# Altium PCB 瓦力驱动.PcbDoc (part 1 of 2)
Units mm, origin at the board's own origin, x right, y up, seen from the top; angles counter-clockwise.
Board outline 99.95 x 90 mm, 2 copper layers (Top Layer, Bottom Layer); 138 components, 102 nets, 483 pads, 250 vias.
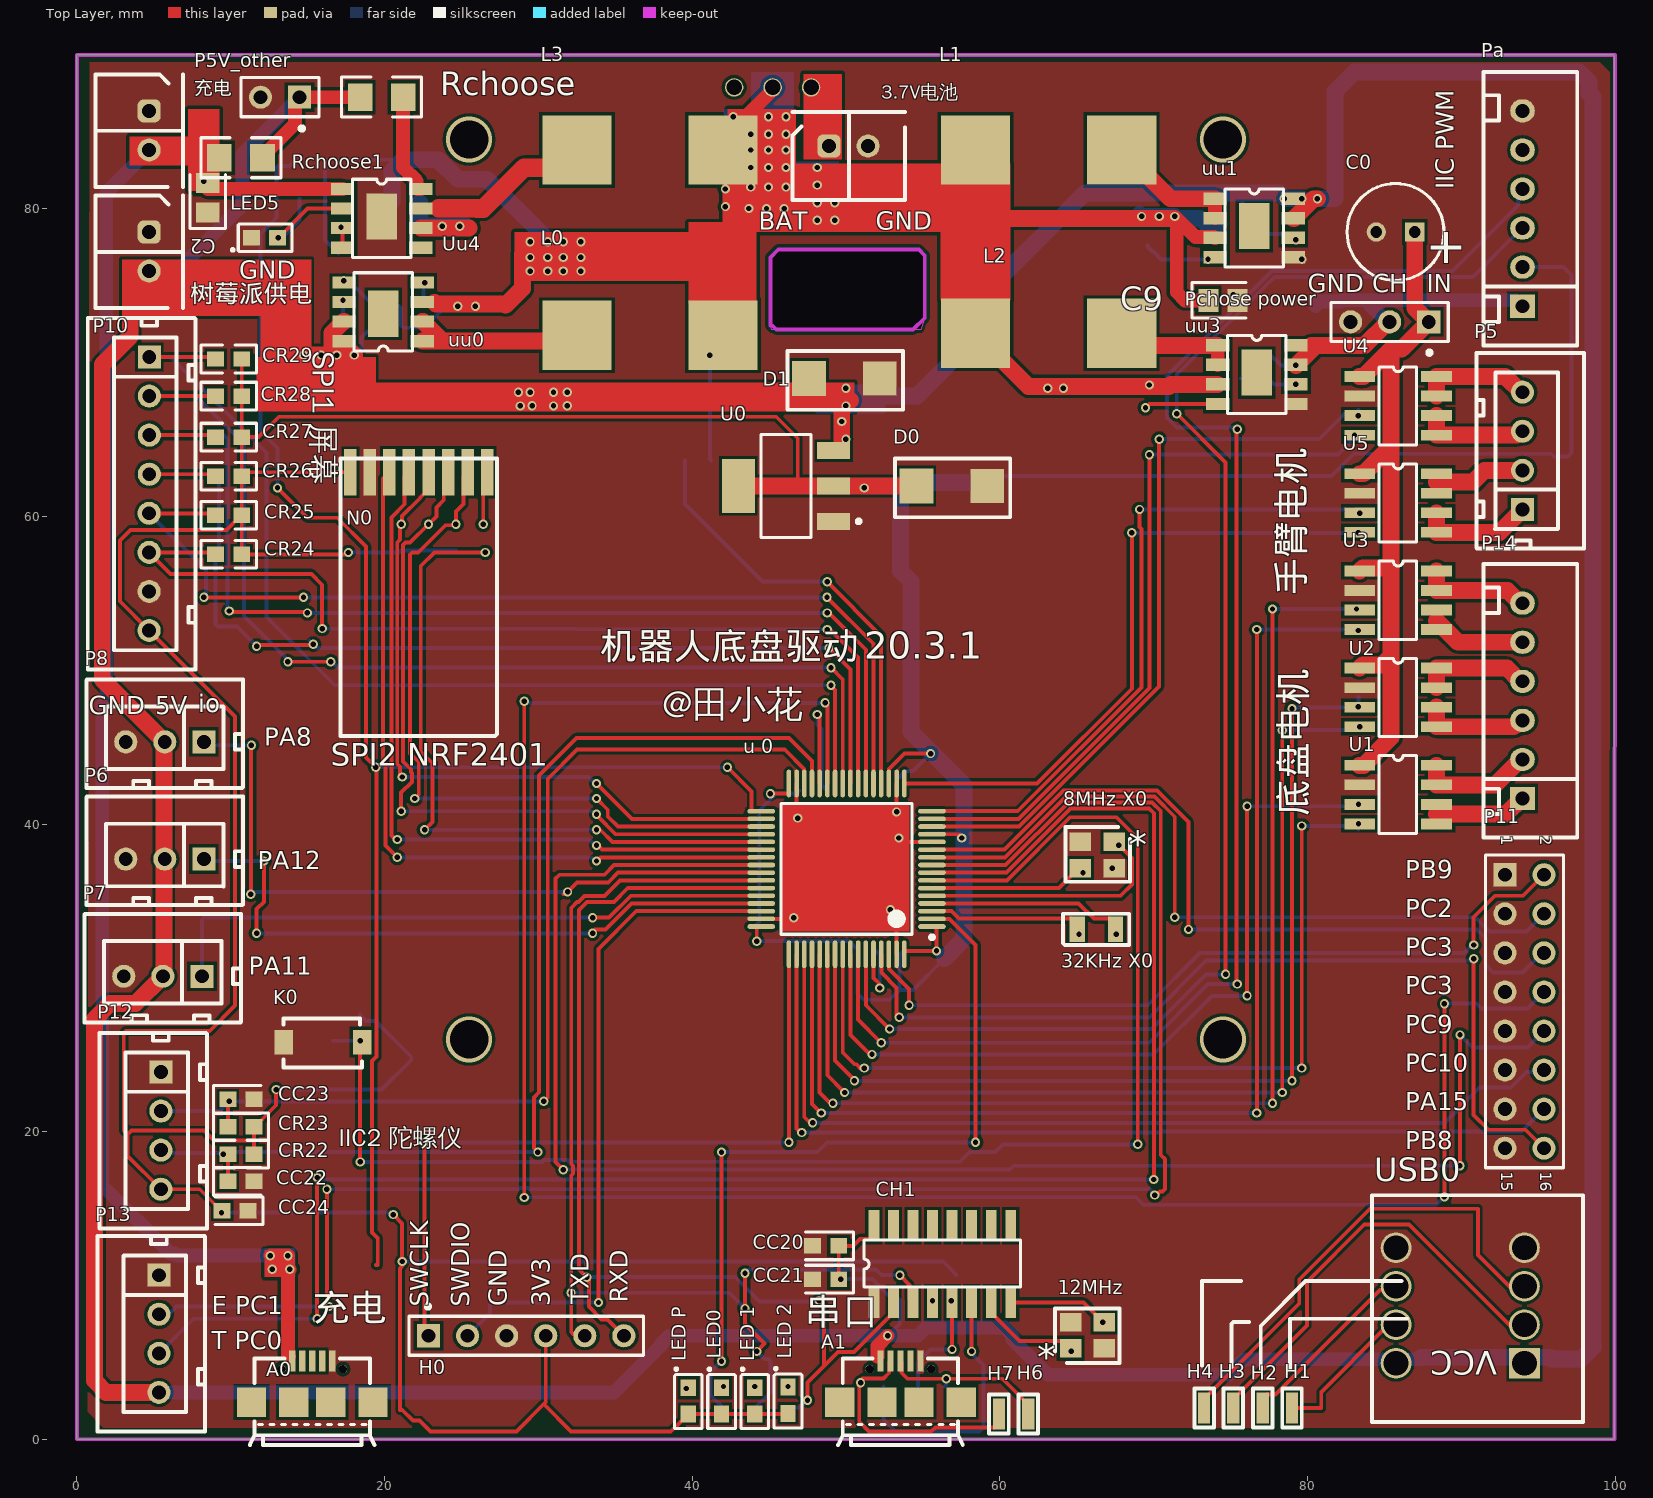
[diagram p0: Top Layer view]
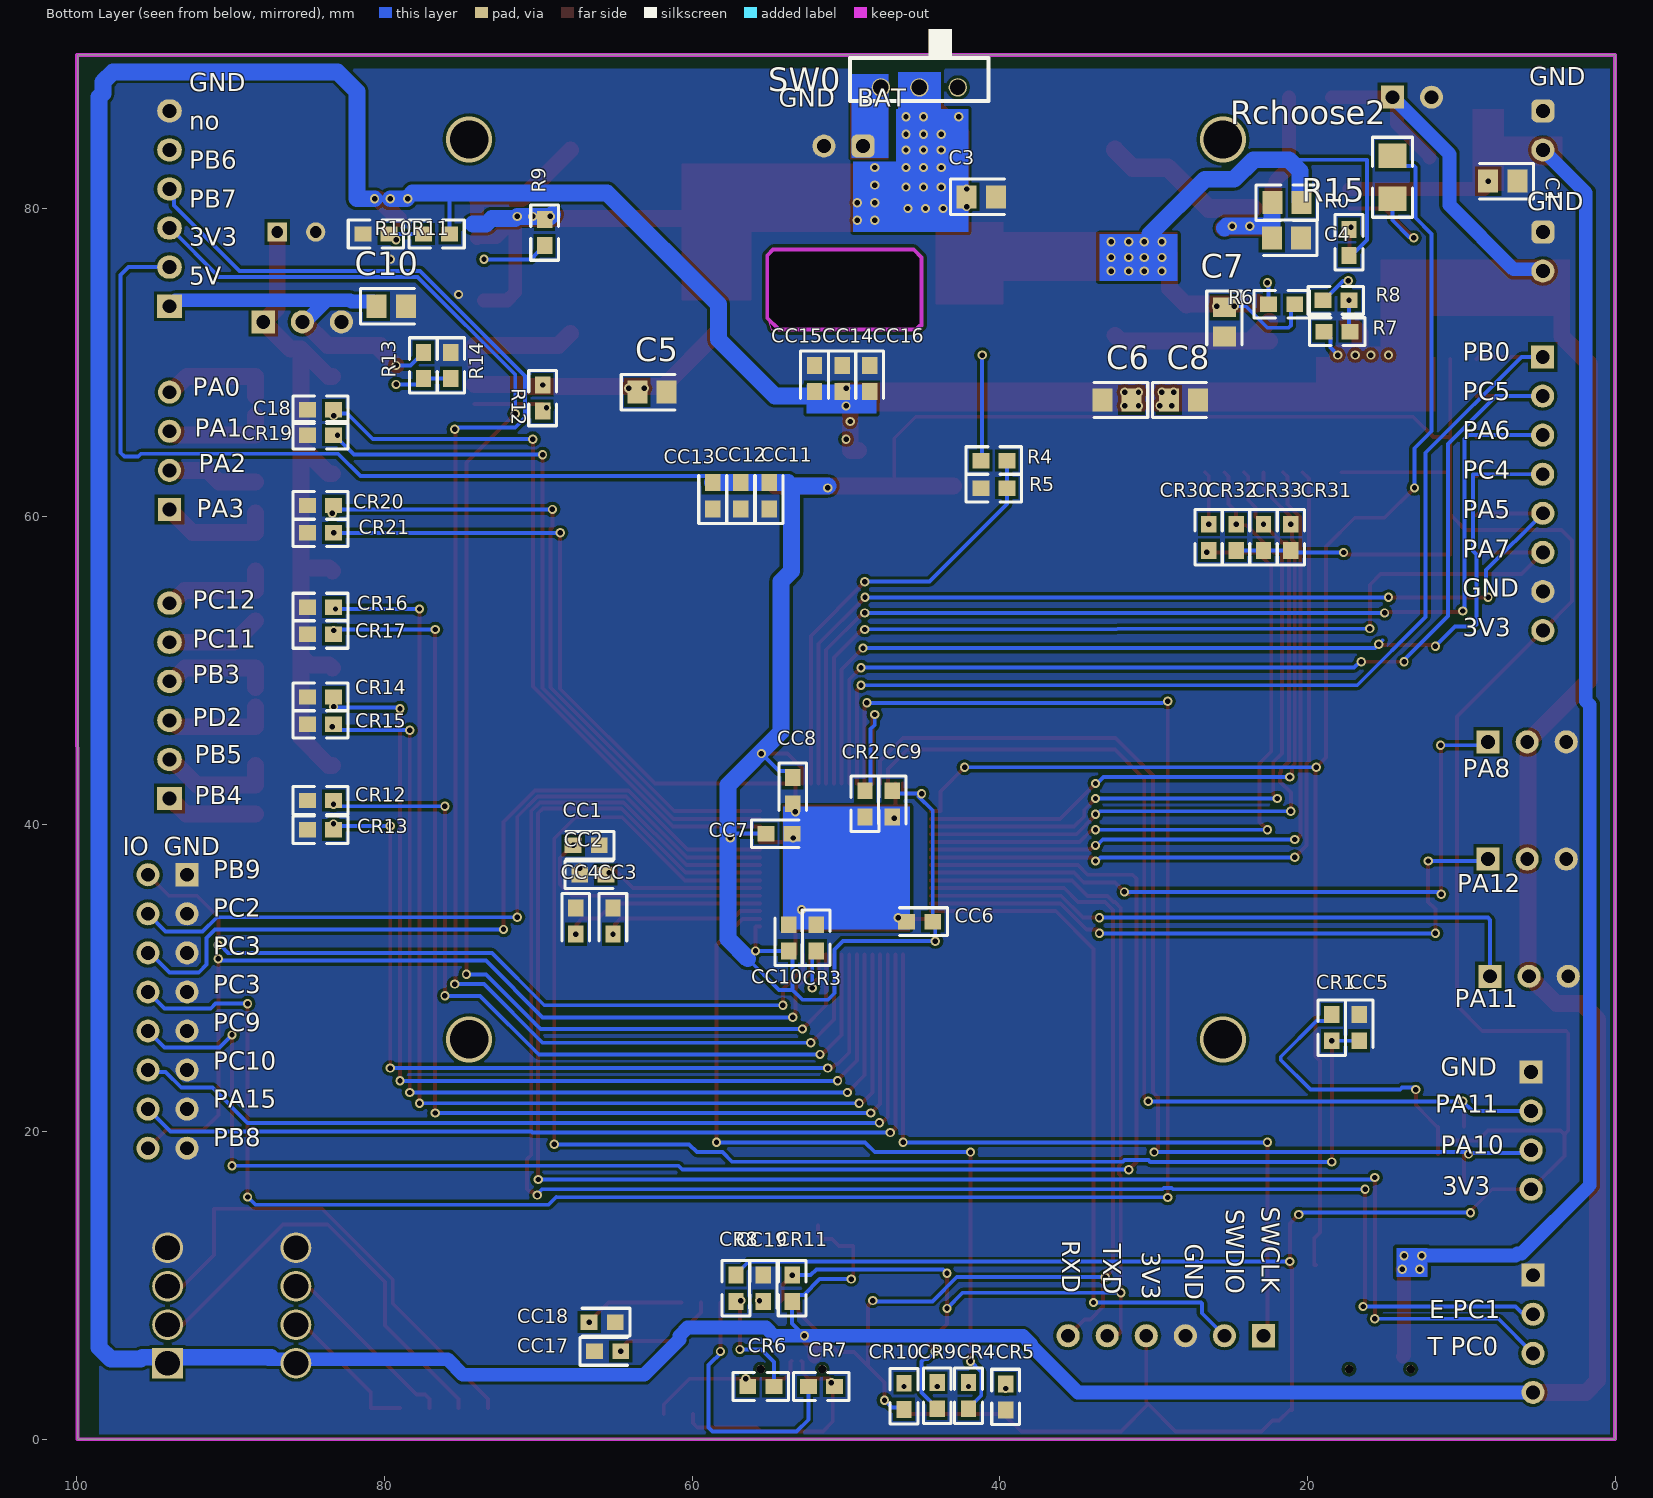
[diagram p1: Bottom Layer view, seen from below]
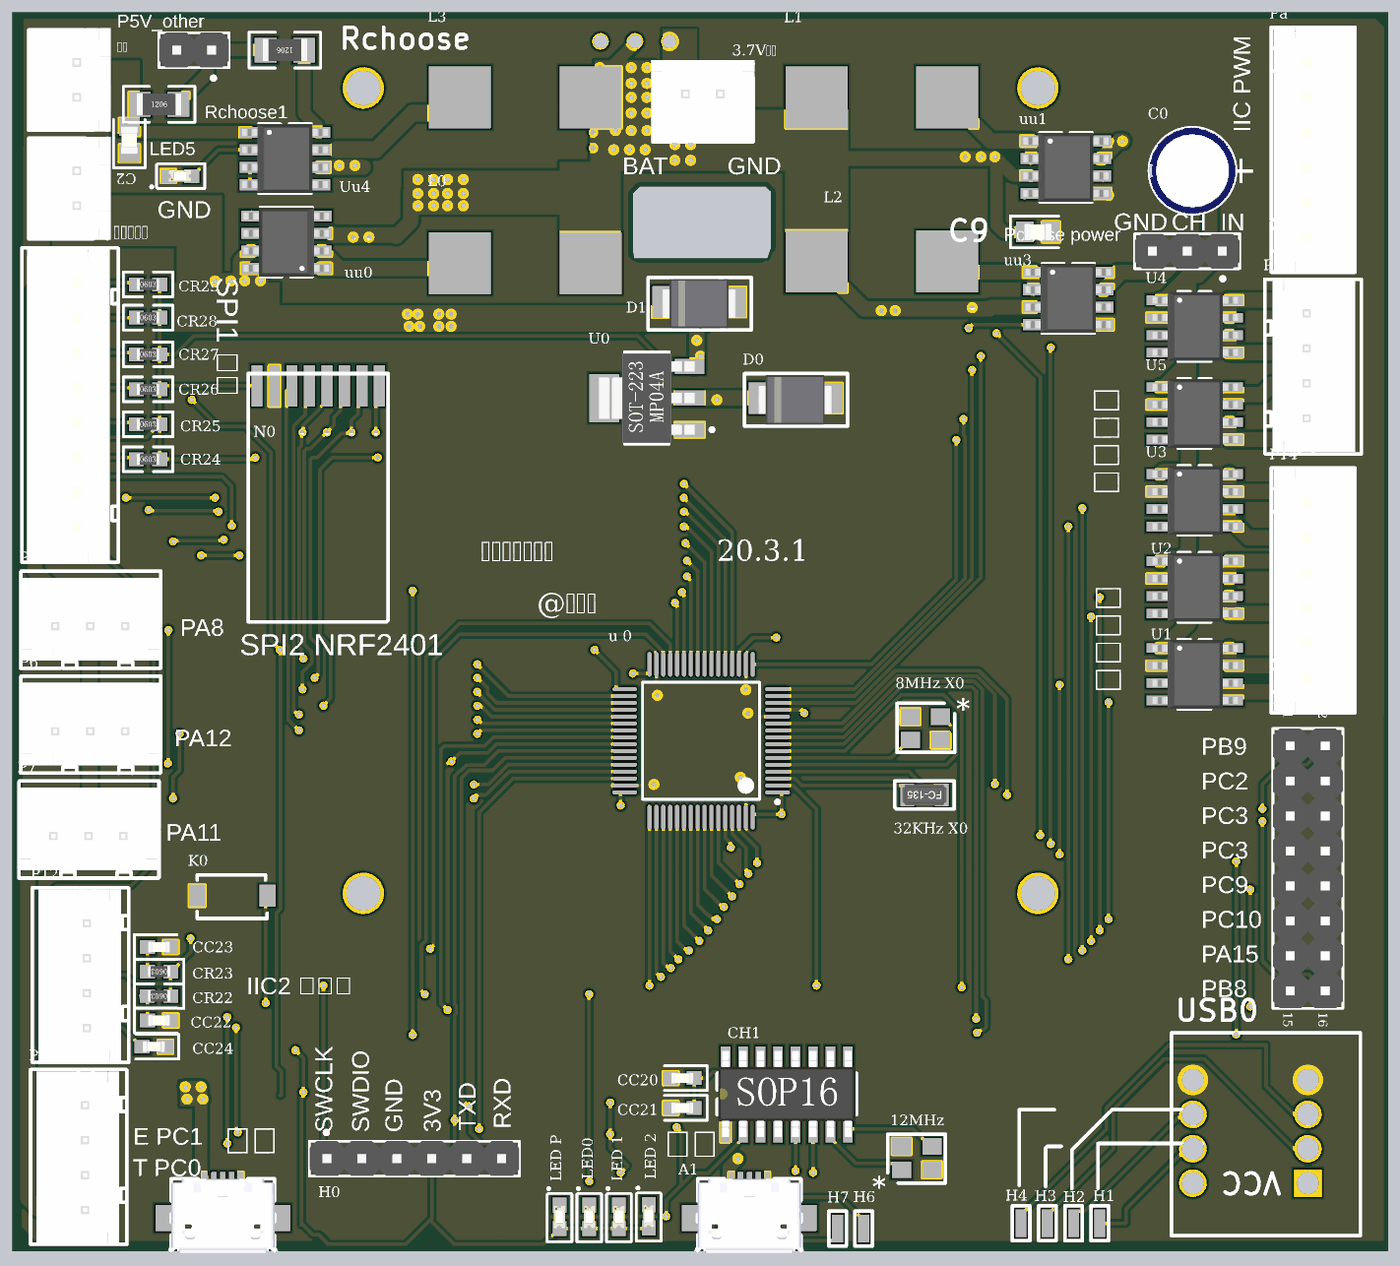
[diagram p3: 3D render of the assembled board from above, using the file's embedded part models]
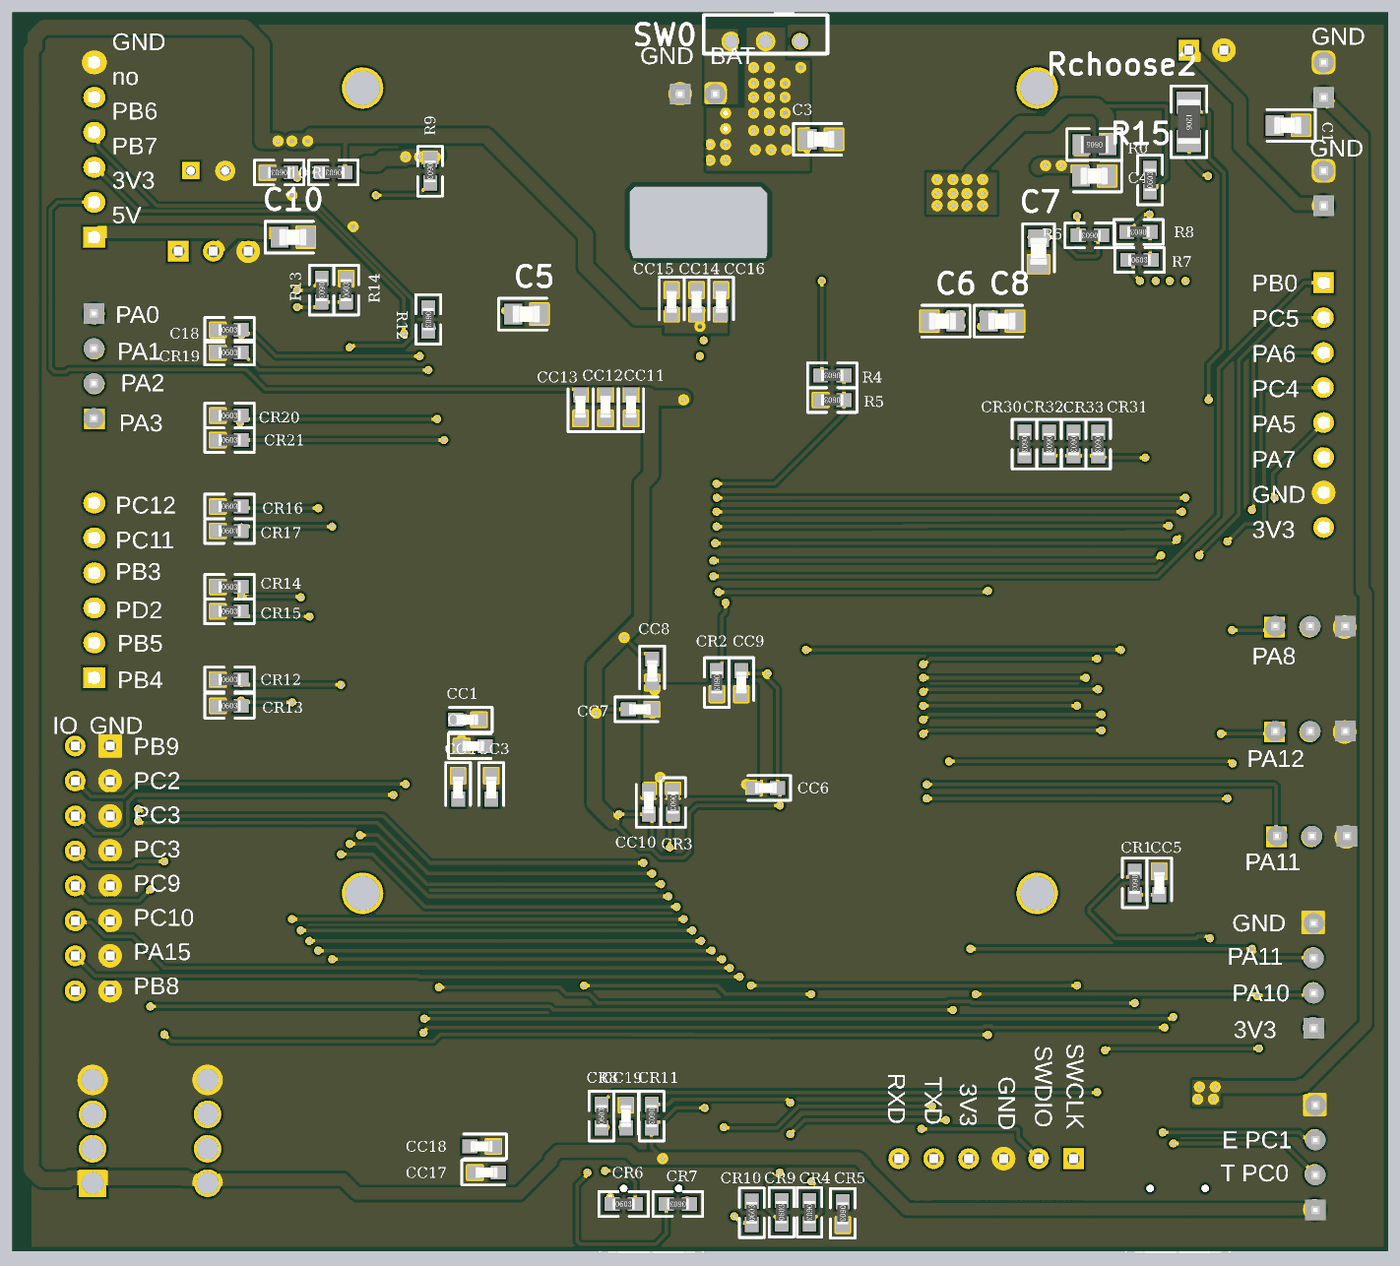
[diagram p4: 3D render of the assembled board from below, using the file's embedded part models]

## Layer stack, top to bottom
Top Solder: solder mask 0.0102, Solder Resist, Dk 3.5
Top Layer: signal copper 0.0356
Dielectric 1: dielectric 0.32, FR-4, Dk 4.8
Bottom Layer: signal copper 0.0356
Bottom Solder: solder mask 0.0102, Solder Resist, Dk 3.5

## Board outline
0,0 0,90 99.949,90 99.949,0
cut-out: 45.085,72.644 45.085,76.835 45.593,77.343 54.737,77.343 55.118,76.962 55.118,72.898 54.849,72.136 45.18,72.136

## Design rules (kind name [scope] priority, off if disabled: settings)
Clearance [All] p1: gap=0.2 ignorepadtopadclearanceinfootprint=TRUE except(0: Arc-Hole Track-Hole SMDPad-Hole THPad-Hole Via-Hole Fill-Hole Poly-Hole Region-Hole Text-Hole; 0.13: Arc-Arc Arc-Track Track-Track)
MinimumSolderMaskSliver [All] p1: minsoldermaskwidth=0
PolygonConnect [All] p1: connectstyle=Direct reliefconductorwidth=0.254 reliefentries=4 polygonreliefangle="90 Angle" airgapwidth=0.254
RoutingVias [All] p1: holewidth=0.35 width=0.65 viastyle="Through Hole" minholewidth=0.1 minwidth=0.6 maxholewidth=5 maxwidth=5
SilkToSilkClearance [All] p1: silktosilkclearance=0
SilkToSolderMaskClearance [IsPad] p1: minsilkscreentomaskgap=0 clearancetoexposedcopper=TRUE
SolderMaskExpansion [All] p1: expansion=0.102
Width [All] p1: maxlimit=2 minlimit=0.254 preferedwidth=0.254
27 further rules are at their usual default settings.

## Classes and differential pairs
component class 电源设计: 3.7V电池 A0 C1 C2 C3 C4 C5 C6 C7 C8 C9 C10 L0 L1 L2 L3 LED5 P5V_other R0 R4 R5 R6 R7 R8 R9 R10 R11 R12 R13 R14 R15 Rchoose Rchoose1 Rchoose2 SW0 uu0 uu1 uu3 Uu4 充电 树莓派供电
component class 外设驱动部分: C0 C18 CC22 CC23 CC24 CR12 CR13 CR14 CR15 CR16 CR17 CR19 CR20 CR21 CR22 CR23 CR24 CR25 CR26 CR27 CR28 CR29 CR30 CR31 CR32 CR33 H1 H2 H3 H4 N0 P5 P6 P7 P8 P10 P11 P12 P13 P14 Pa "Pchose power" U1 U2 U3 U4 U5 USB0
component class 瓦力驱动主控原理图: "8MHz X0" 12MHz "32KHz X0" A1 c13 c14 C35 CC1 CC2 CC3 CC4 CC5 CC6 CC7 CC8 CC9 CC10 CC11 CC12 CC13 CC14 CC15 CC16 CC17 CC18 CC19 CC20 CC21 CH1 CR1 CR2 CR3 CR4 CR5 CR6 CR7 CR8 CR9 CR10 CR11 D0 D1 H0 H6 H7 K0 L? LED0 "LED 1" "LED 2" "LED P" SMBJ5.0A U0 "u 0"

## Components (designator, comment, footprint, x,y, rotation, side; value= is the part's Value field where it differs from the comment)
3.7V电池 "Header 2" HX2.54-2 48.895,84.074 r0 top
"8MHz X0" "XTAL 3225 8M" "T 3225" 67.437,37.134 r180 top
12MHz "XTAL 3225 8M" "T 3225" 64.602,7.62 r0 top
"32KHz X0" "XTAL 3215 32.768kKHz" "T 3215" 67.524,33.147 r180 top
A0 "Micro USB" "Micro USB" 19.291,2.413 r180 top
A1 "Micro USB" "Micro USB" 57.531,2.413 r180 top
C0 "Cap Pol 2.5x6.3" CAPPR2.5-6.3X5 85.725,78.486 r180 top value=10uF
C1 "Cap Chip 0805" CC2012-0805 7.3,81.788 r0 bottom value=10UF
C2 "Cap Chip 0805" CC2012-0805 8.509,80.706 r90 top value=100NF
C3 "Cap Chip 0805" CC2012-0805 41.209,80.772 r180 bottom value=22uf
C4 "Cap Chip 0805" CC2012-0805 21.37,78.105 r0 bottom value=22uf
C5 "Cap Chip 0805" CC2012-0805 62.611,68.072 r180 bottom value=22uf
C6 "Cap Chip 0805" CC2012-0805 32.385,67.564 r0 bottom value=22uf
C7 "Cap Chip 0805" CC2012-0805 25.4,72.644 r270 bottom value=22uf
C8 "Cap Chip 0805" CC2012-0805 28.067,67.564 r180 bottom value=22uf
C9 "Cap Chip 0805" CC2012-0805 74.5,74.041 r0 top value=22uf
C10 "Cap Chip 0805" CC2012-0805 79.568,73.66 r180 bottom value=22uf
C18 "Resistor Chip 0603" CR1608-0603 84.162,66.929 r180 bottom value=10K
CC1 "Cap Chip 0603" CC1608-0603 66.89,38.608 r0 bottom value=22PF
CC2 "Cap Chip 0603" CC1608-0603 66.46,36.703 r180 bottom value=22PF
CC3 "Cap Chip 0603" CC1608-0603 65.151,33.694 r270 bottom value=15PF
CC4 "Cap Chip 0603" CC1608-0603 67.564,33.694 r270 bottom value=15PF
CC5 "Cap Chip 0603" CC1608-0603 16.637,26.758 r270 bottom value=1UF
CC6 "Cap Chip 0603" CC1608-0603 45.212,33.655 r0 bottom value=100NF
CC7 "Cap Chip 0603" CC1608-0603 54.356,39.37 r180 bottom value=100NF
CC8 "Cap Chip 0603" CC1608-0603 53.467,42.164 r270 bottom value=100NF
CC9 "Cap Chip 0603" CC1608-0603 46.99,41.314 r270 bottom value=100NF
CC10 "Cap Chip 0603" CC1608-0603 53.721,32.6 r90 bottom value=100NF
CC11 "Cap Chip 0603" CC1608-0603 54.991,61.341 r90 bottom value=100NF
CC12 "Cap Chip 0603" CC1608-0603 56.848,61.341 r90 bottom value=2.2UF
CC13 "Cap Chip 0603" CC1608-0603 58.674,61.341 r90 bottom value=10UF
CC14 "Cap Chip 0603" CC1608-0603 50.243,68.961 r270 bottom value=100NF
CC15 "Cap Chip 0603" CC1608-0603 52.048,68.961 r270 bottom value=10UF
CC16 "Cap Chip 0603" CC1608-0603 48.465,68.961 r270 bottom value=2.2UF
CC17 "Cap Chip 0603" CC1608-0603 65.493,5.715 r180 bottom value=22PF
CC18 "Cap Chip 0603" CC1608-0603 65.852,7.62 r0 bottom value=22PF
CC19 "Cap Chip 0603" CC1608-0603 55.372,9.818 r270 bottom value=100NF
CC20 "Cap Chip 0603" CC1608-0603 48.68,12.573 r180 top value=100NF
CC21 "Cap Chip 0603" CC1608-0603 48.68,10.414 r180 top value=10UF
CC22 "Cap Chip 0603" CC1608-0603 10.668,16.764 r0 top value=22PF
CC23 "Cap Chip 0603" CC1608-0603 10.668,22.098 r0 top value=22PF
CC24 "Cap Chip 0603" CC1608-0603 10.287,14.859 r180 top value=100NF
CH1 "CH340G" SOP16 51.816,8.89 r90 top
CR1 "Resistor Chip 0603" CR1608-0603 18.415,26.758 r270 bottom value=10K
CR2 "Resistor Chip 0603" CR1608-0603 48.768,41.314 r270 bottom value=10K
CR3 "Resistor Chip 0603" CR1608-0603 51.943,32.6 r270 bottom value=10K
CR4 "Resistor Chip 0603" CR1608-0603 42.037,2.833 r270 bottom value=520R
CR5 "Resistor Chip 0603" CR1608-0603 39.624,2.755 r270 bottom value=520R
CR6 "Resistor Chip 0603" CR1608-0603 55.538,3.429 r180 bottom value=22R
CR7 "Resistor Chip 0603" CR1608-0603 51.601,3.429 r0 bottom value=22R
CR8 "Resistor Chip 0603" CR1608-0603 57.15,9.818 r90 bottom value=1.5K
CR9 "Resistor Chip 0603" CR1608-0603 44.069,2.833 r90 bottom value=520R
CR10 "Resistor Chip 0603" CR1608-0603 46.228,2.794 r90 bottom value=520R
CR11 "Resistor Chip 0603" CR1608-0603 53.506,9.818 r270 bottom value=4.7K
CR12 "Resistor Chip 0603" CR1608-0603 84.162,41.529 r180 bottom value=10K
CR13 "Resistor Chip 0603" CR1608-0603 84.162,39.624 r180 bottom value=10K
CR14 "Resistor Chip 0603" CR1608-0603 84.162,48.26 r180 bottom value=10K
CR15 "Resistor Chip 0603" CR1608-0603 84.162,46.482 r180 bottom value=10K
CR16 "Resistor Chip 0603" CR1608-0603 84.162,54.102 r180 bottom value=10K
CR17 "Resistor Chip 0603" CR1608-0603 84.162,52.324 r180 bottom value=10K
CR19 "Resistor Chip 0603" CR1608-0603 84.162,65.278 r180 bottom value=10K
CR20 "Resistor Chip 0603" CR1608-0603 84.162,60.706 r180 bottom value=10K
CR21 "Resistor Chip 0603" CR1608-0603 84.162,58.928 r180 bottom value=10K
CR22 "Resistor Chip 0603" CR1608-0603 10.668,18.542 r180 top value=4.7K
CR23 "Resistor Chip 0603" CR1608-0603 10.668,20.32 r180 top value=4.7K
CR24 "Resistor Chip 0603" CR1608-0603 9.867,57.531 r0 top value=47K